# KiCad board qazikat.kicad_pcb
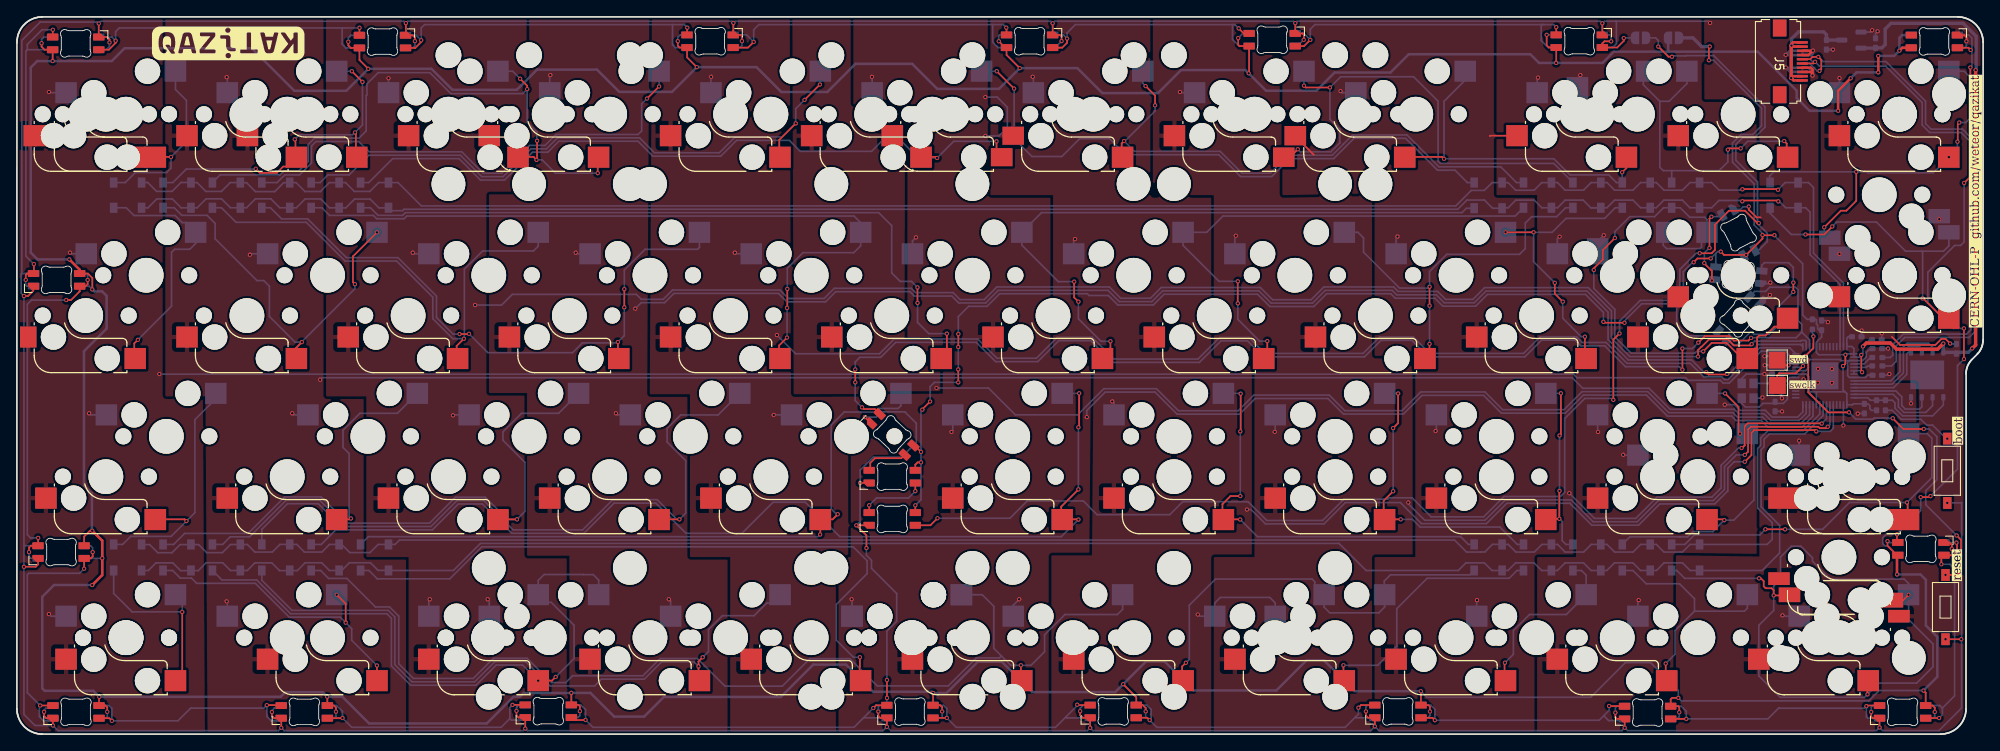
[diagram p0: board, top side]
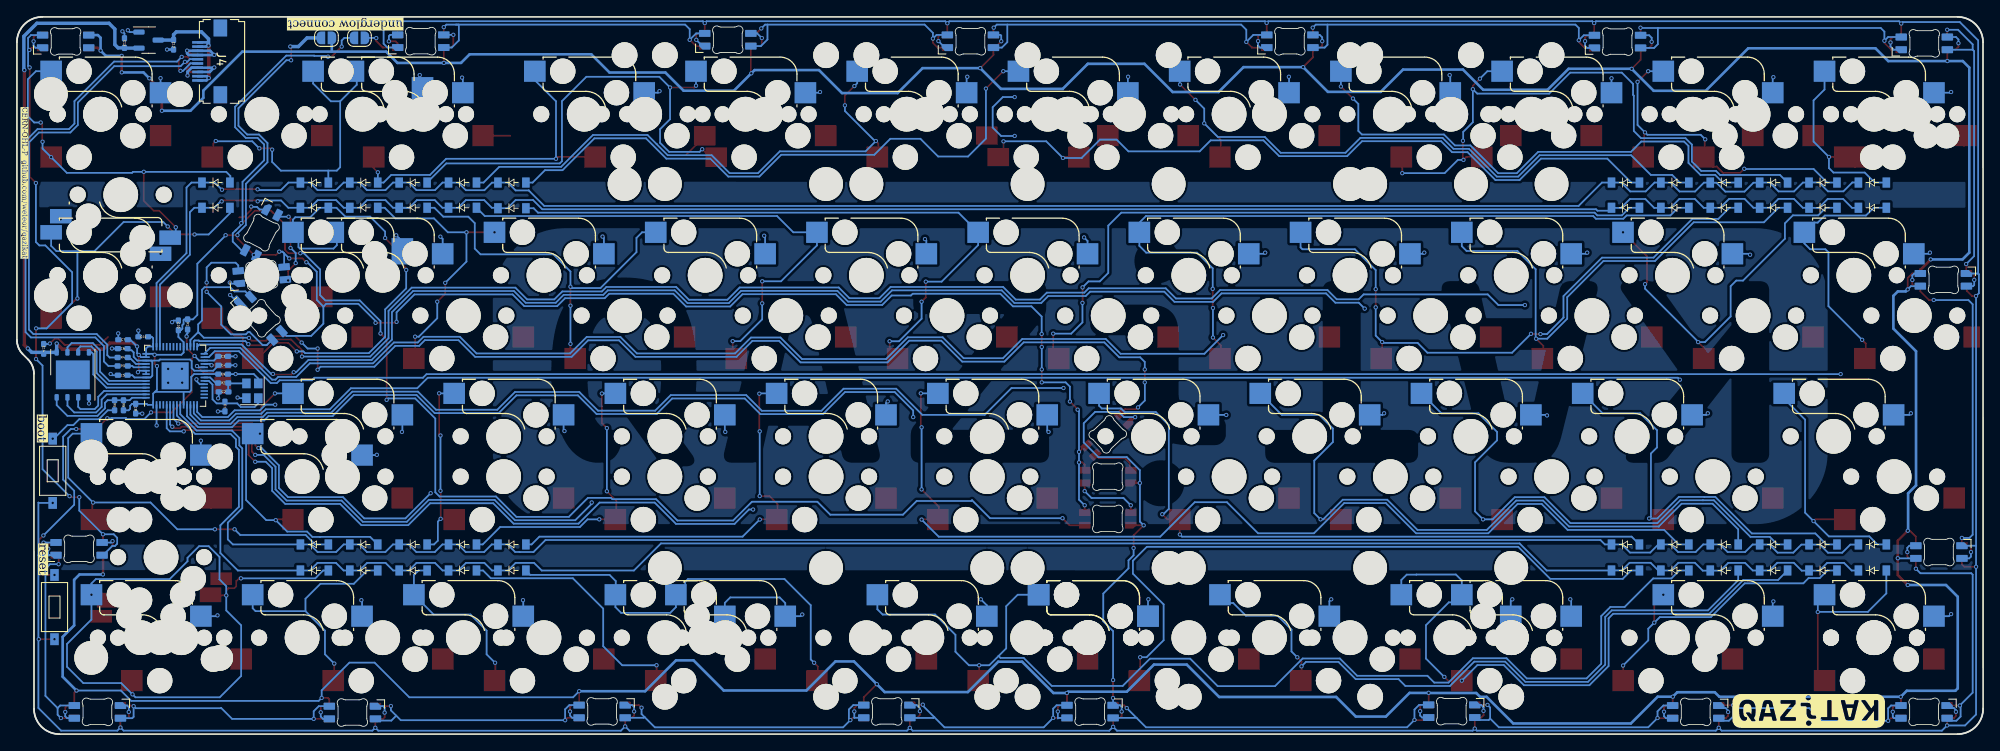
[diagram p1: board, bottom side, seen from below]

Outline 232.33 x 84.82 mm; copper layers: Top, Bottom. Coordinates in mm from the lower left corner of the outline.
Outline path: 0,3 0,2.85 0.01,2.7 0.03,2.56 0.06,2.41 0.09,2.27 0.13,2.13 0.18,1.99 0.23,1.85 0.29,1.72 0.35,1.59 0.43,1.46 0.5,1.34 0.59,1.22 0.68,1.1 0.78,0.99 0.88,0.88 0.99,0.78 1.1,0.68 1.22,0.59 1.34,0.5 1.46,0.43 1.59,0.35 1.72,0.29 1.85,0.23 1.99,0.18 2.13,0.13 2.27,0.09 2.41,0.06 2.56,0.03 2.7,0.01 2.85,0 3,0 227.31,0 227.46,0 227.61,0.01 227.75,0.03 227.9,0.06 228.04,0.09 228.18,0.13 228.32,0.18 228.46,0.23 228.59,0.29 228.72,0.35 228.85,0.43 228.97,0.5 229.09,0.59 229.21,0.68 229.32,0.78 229.43,0.88 229.53,0.99 229.63,1.1 229.72,1.22 229.81,1.34 229.88,1.46 229.96,1.59 230.02,1.72 230.08,1.85 230.13,1.99 230.18,2.13 230.22,2.27 230.25,2.41 230.28,2.56 230.3,2.7 230.31,2.85 230.31,3 230.32,42.61 230.32,42.73 230.33,42.85 230.34,42.97 230.36,43.09 230.39,43.2 230.42,43.32 230.46,43.43 230.5,43.54 230.55,43.65 230.6,43.75 230.66,43.85 230.72,43.95 230.79,44.05 230.86,44.14 230.94,44.23 231.02,44.32 231.62,44.92 231.7,45 231.78,45.09 231.85,45.19 231.92,45.28 231.99,45.38 232.04,45.49 232.1,45.59 232.14,45.7 232.19,45.81 232.22,45.92 232.25,46.04 232.28,46.15 232.3,46.27 232.32,46.39 232.32,46.5 232.33,46.62 232.33,81.82 232.32,81.97 232.31,82.12 232.29,82.26 232.27,82.41 232.24,82.55 232.2,82.69 232.15,82.83 232.1,82.97 232.04,83.1 231.97,83.23 231.9,83.36 231.82,83.48 231.74,83.6 231.65,83.72 231.55,83.83 231.45,83.94 231.34,84.04 231.23,84.14 231.11,84.23 230.99,84.32 230.87,84.39 230.74,84.47 230.61,84.53 230.48,84.59 230.34,84.64 230.2,84.69 230.06,84.73 229.92,84.76 229.77,84.79 229.62,84.81 229.48,84.82 229.33,84.82 3.01,84.82 2.86,84.82 2.71,84.81 2.56,84.79 2.42,84.76 2.28,84.73 2.14,84.69 2,84.64 1.86,84.59 1.73,84.53 1.59,84.47 1.47,84.39 1.34,84.32 1.22,84.23 1.11,84.14 0.99,84.04 0.89,83.94 0.78,83.83 0.69,83.72 0.6,83.6 0.51,83.48 0.43,83.36 0.36,83.23 0.3,83.1 0.24,82.97 0.18,82.83 0.14,82.69 0.1,82.55 0.07,82.41 0.04,82.26 0.02,82.12 0.01,81.97 0.01,81.82 0,3
Stack: Top 0.035mm / dielectric 1.51mm FR4 er 4.5 / Bottom 0.035mm

## Placement (name value [footprint] x y rotation side)
C1  27pF  [C_0402_HandSolder]  207.75 38.74 90 bottom
C2  27pF  [C_0402_HandSolder]  207.91 40.47 180 bottom
C3  100nF  [C_0402_HandSolder]  207.97 44.67 180 bottom
C4  100nF  [C_0402_HandSolder]  207.94 43.62 180 bottom
C5  100nF  [C_0402_HandSolder]  219.83 42.44 0 bottom
C6  1uF  [C_0402_HandSolder]  219.83 45.59 0 bottom
C7  1uF  [C_0402_HandSolder]  219.78 46.64 0 bottom
C8  100nF  [C_0402_HandSolder]  218.3 38.49 270 bottom
C9  100nF  [C_0402_HandSolder]  207.96 42.57 180 bottom
C10  100nF  [C_0402_HandSolder]  213.25 48.34 90 bottom
C11  100nF  [C_0402_HandSolder]  217.4 46.99 0 bottom
C12  1uF  [C_0402_HandSolder]  213.82 81.53 270 bottom
C13  1uF  [C_0402_HandSolder]  219.62 81.73 90 bottom
C14  100nF  [C_0402_HandSolder]  229.17 45.56 90 bottom
D1  D_Small  [D_SOD-123]  13.08 19.35 180 bottom
D2  D_Small  [D_SOD-123]  18.92 19.35 180 bottom
D3  D_Small  [D_SOD-123]  24.75 19.35 180 bottom
D4  D_Small  [D_SOD-123]  30.59 19.35 180 bottom
D5  D_Small  [D_SOD-123]  42.26 19.35 180 bottom
D6  D_Small  [D_SOD-123]  42.26 65.23 180 bottom
D7  D_Small  [D_SOD-123]  36.42 19.35 180 bottom
D8  D_Small  [D_SOD-123]  173.84 19.35 180 bottom
D9  D_Small  [D_SOD-123]  179.67 19.35 180 bottom
D10  D_Small  [D_SOD-123]  185.51 19.35 180 bottom
D11  D_Small  [D_SOD-123]  191.34 19.35 180 bottom
D12  SK6812MINI  [LED_6028R]  4.69 53.72 0 top
D13  SK6812MINI  [LED_6028R]  5.22 21.53 0 top
D14  SK6812MINI  [LED_6028R]  6.98 2.63 0 top
D15  SK6812MINI  [LED_6028R]  33.96 2.63 0 top
D16  SK6812MINI  [LED_6028R]  62.79 2.71 0 top
D17  SK6812MINI  [LED_6028R]  105.52 2.66 0 top
D18  SK6812MINI  [LED_6028R]  129.54 2.68 0 top
D19  SK6812MINI  [LED_6028R]  163.18 2.68 0 top
D20  SK6812MINI  [LED_6028R]  192.69 2.55 0 top
D21  SK6812MINI  [LED_6028R]  222.82 2.63 0 top
D22  SK6812MINI  [LED_6028R]  224.99 21.91 180 top
D24  SK6812MINI  [LED_6028R_no_cut]  5.22 21.53 0 bottom
D25  SK6812MINI  [LED_6028R_no_cut]  222.82 2.63 0 bottom
D26  SK6812MINI  [LED_6028R_no_cut]  6.98 2.63 0 bottom
D27  SK6812MINI  [LED_6028R_no_cut]  224.99 21.91 180 bottom
D28  SK6812MINI  [LED_6028R_no_cut]  33.96 2.63 0 bottom
D30  SK6812MINI  [LED_6028R_no_cut]  62.79 2.71 0 bottom
D31  SK6812MINI  [LED_6028R_no_cut]  226.57 81.92 180 bottom
D32  SK6812MINI  [LED_6028R_no_cut]  105.52 2.66 0 bottom
D33  SK6812MINI  [LED_6028R_no_cut]  129.54 2.68 0 bottom
D34  SK6812MINI  [LED_6028R_no_cut]  163.18 2.68 0 bottom
D35  SK6812MINI  [LED_6028R_no_cut]  192.69 2.55 0 bottom
D36  SK6812MINI  [LED_6028R]  226.57 81.92 180 top
D43  SK6812MINI  [LED_6028R]  203.43 59.31 297.5 bottom
D44  SK6812MINI  [LED_6028R]  203.4 54.27 175 bottom
D45  SK6812MINI  [LED_6028R#2]  203.42 49.18 228 bottom
D47  SK6812MINI  [LED_6028R]  184.61 81.95 180 top
D48  SK6812MINI  [LED_6028R]  148.33 82.12 180 top
D49  SK6812MINI  [LED_6028R]  119.66 81.94 180 top
D50  SK6812MINI  [LED_6028R]  81.91 81.94 180 top
D51  SK6812MINI  [LED_6028R]  43.2 81.9 180 top
D52  SK6812MINI  [LED_6028R]  6.95 81.69 180 top
D97  SK6812MINI  [LED_6028R]  103.43 35.45 317 top
D98  SK6812MINI  [LED_6028R]  103.43 30.45 0 top
D99  SK6812MINI  [LED_6028R]  103.43 25.45 0 top
D101  SK6812MINI  [LED_6028R_no_cut]  184.61 81.95 180 bottom
D102  SK6812MINI  [LED_6028R_no_cut]  148.33 82.12 180 bottom
D103  SK6812MINI  [LED_6028R_no_cut]  119.66 81.94 180 bottom
D104  SK6812MINI  [LED_6028R_no_cut]  81.91 81.94 180 bottom
D105  SK6812MINI  [LED_6028R_no_cut]  43.2 81.9 180 bottom
D106  SK6812MINI  [LED_6028R_no_cut]  6.95 81.69 180 bottom
D107  SK6812MINI  [LED_6028R_no_cut]  4.69 53.73 0 bottom
D108  D_Small  [D_SOD-123]  197.18 19.35 180 bottom
D109  D_Small  [D_SOD-123]  13.08 22.43 180 bottom
D110  D_Small  [D_SOD-123]  18.92 22.43 180 bottom
D111  D_Small  [D_SOD-123]  24.75 22.43 180 bottom
D112  D_Small  [D_SOD-123]  30.59 22.43 180 bottom
D113  D_Small  [D_SOD-123]  42.26 22.43 180 bottom
D115  D_Small  [D_SOD-123]  36.42 22.43 180 bottom
D116  D_Small  [D_SOD-123]  173.84 22.43 180 bottom
D117  D_Small  [D_SOD-123]  179.67 22.43 180 bottom
D118  D_Small  [D_SOD-123]  185.51 22.43 180 bottom
D119  D_Small  [D_SOD-123]  191.34 22.43 180 bottom
D120  D_Small  [D_SOD-123]  197.18 22.43 180 bottom
D121  D_Small  [D_SOD-123]  13.08 62.25 180 bottom
D122  D_Small  [D_SOD-123]  18.92 62.25 180 bottom
D123  D_Small  [D_SOD-123]  24.75 62.25 180 bottom
D124  D_Small  [D_SOD-123]  30.59 62.25 180 bottom
D125  D_Small  [D_SOD-123]  36.42 62.25 180 bottom
D126  D_Small  [D_SOD-123]  42.26 62.25 180 bottom
D127  D_Small  [D_SOD-123]  173.84 62.19 180 bottom
D128  D_Small  [D_SOD-123]  179.67 62.25 180 bottom
D129  D_Small  [D_SOD-123]  185.51 62.25 180 bottom
D130  D_Small  [D_SOD-123]  191.34 62.25 180 bottom
D131  D_Small  [D_SOD-123]  197.18 62.25 180 bottom
D132  D_Small  [D_SOD-123]  208.81 62.25 180 bottom
D133  D_Small  [D_SOD-123]  13.08 65.23 180 bottom
D134  D_Small  [D_SOD-123]  18.92 65.23 180 bottom
D135  D_Small  [D_SOD-123]  24.75 65.23 180 bottom
D136  D_Small  [D_SOD-123]  30.59 65.23 180 bottom
D137  D_Small  [D_SOD-123]  36.42 65.23 180 bottom
D139  D_Small  [D_SOD-123]  173.84 65.23 180 bottom
D140  D_Small  [D_SOD-123]  179.67 65.23 180 bottom
D141  D_Small  [D_SOD-123]  185.51 65.23 180 bottom
D142  D_Small  [D_SOD-123]  191.34 65.23 180 bottom
D143  D_Small  [D_SOD-123]  197.18 65.23 180 bottom
D144  D_Small  [D_SOD-123]  208.81 65.23 180 bottom
J1  Conn_01x01_Pin  [TestPoint_Pad_2.0x2.0mm]  207.99 44.23 0 top
J3  Conn_01x01_Pin  [TestPoint_Pad_2.0x2.0mm]  208.01 41.23 0 top
J4  Conn_01x10  [FCC 1x10 - JUSHUO AFC01-S10FCA-00]  210.97 79.56 90 bottom
J5  Conn_01x10  [FCC 1x10 - JUSHUO AFC01-S10FCA-00]  210.97 79.56 270 top
JP1  SolderJumper_2_Open  [SolderJumper-2_P1.3mm_Open_RoundedPad1.0x1.5mm]  191.85 82.34 0 bottom
JP3  SolderJumper_2_Open  [SolderJumper-2_P1.3mm_Open_RoundedPad1.0x1.5mm]  195.75 82.34 180 bottom
MX1  MX_SW_HS  [CherryMX_Hotswap]  12.89 73.31 0 top
MX2  MX_SW_HS  [CherryMX_Hotswap]  31.94 73.31 0 top
MX3  MX_SW_HS  [CherryMX_Hotswap]  50.99 73.31 0 top
MX4  MX_SW_HS  [CherryMX_Hotswap]  70.04 73.31 0 top
MX5  MX_SW_HS  [CherryMX_Hotswap]  89.09 73.31 0 top
MX6  MX_SW_HS  [CherryMX_Hotswap]  108.14 73.31 0 top
MX7  MX_SW_HS  [CherryMX_Hotswap]  127.19 73.31 0 top
MX8  MX_SW_HS  [CherryMX_Hotswap]  146.24 73.31 0 top
MX9  MX_SW_HS  [CherryMX_Hotswap]  165.29 73.31 0 top
MX10  MX_SW_HS  [CherryMX_Hotswap_1.25u]  186.72 73.31 0 top
MX11  MX_SW_HS  [CherryMX_Hotswap_1.75u]  191.49 73.31 0 top
MX12  MX_SW_HS  [CherryMX_Hotswap]  222.44 73.31 0 top
MX14  MX_SW_HS  [CherryMX_Hotswap#5]  220.06 63.79 180 top
MX15  MX_SW_HS  [CherryMX_Hotswap_1.25u]  15.27 54.27 0 top
MX16  MX_SW_HS  [CherryMX_Hotswap]  36.7 54.27 0 top
MX17  MX_SW_HS  [CherryMX_Hotswap]  55.75 54.27 0 top
MX18  MX_SW_HS  [CherryMX_Hotswap]  74.81 54.27 0 top
MX19  MX_SW_HS  [CherryMX_Hotswap]  93.86 54.27 0 top
MX20  MX_SW_HS  [CherryMX_Hotswap]  112.91 54.27 0 top
MX21  MX_SW_HS  [CherryMX_Hotswap]  131.96 54.27 0 top
MX22  MX_SW_HS  [CherryMX_Hotswap]  151 54.27 0 top
MX23  MX_SW_HS  [CherryMX_Hotswap]  170.06 54.27 0 top
MX24  MX_SW_HS  [CherryMX_Hotswap]  189.1 54.27 0 top
MX25  MX_SW_HS  [CherryMX_Hotswap_1.5u#2]  193.87 54.27 0 top
MX26  MX_SW_HS  [CherryMX_Hotswap#5]  222.44 54.27 0 top
MX27  MX_SW_HS  [CherryMX_Hotswap_1.5u]  17.66 35.22 0 top
MX28  MX_SW_HS  [CherryMX_Hotswap]  41.47 35.22 0 top
MX29  MX_SW_HS  [CherryMX_Hotswap]  60.52 35.22 0 top
MX30  MX_SW_HS  [CherryMX_Hotswap]  79.57 35.22 0 top
MX31  MX_SW_HS  [CherryMX_Hotswap]  98.62 35.22 0 top
MX32  MX_SW_HS  [CherryMX_Hotswap]  117.67 35.22 0 top
MX33  MX_SW_HS  [CherryMX_Hotswap]  136.72 35.22 0 top
MX34  MX_SW_HS  [CherryMX_Hotswap]  155.77 35.22 0 top
MX35  MX_SW_HS  [CherryMX_Hotswap]  174.82 35.22 0 top
MX36  MX_SW_HS  [CherryMX_Hotswap]  193.87 35.22 0 top
MX37  MX_SW_HS  [CherryMX_Hotswap]  198.63 30.45 0 top
MX38  MX_SW_HS  [CherryMX_Hotswap]  217.68 30.45 0 top
MX39  MX_SW_HS  [CherryMX_Hotswap]  12.89 11.4 0 top
MX40  MX_SW_HS  [CherryMX_Hotswap]  31.94 11.4 0 top
MX41  MX_SW_HS  [CherryMX_Hotswap]  55.75 11.4 0 top
MX42  MX_SW_HS  [CherryMX_Hotswap]  84.33 11.4 0 top
MX43  MX_SW_HS  [CherryMX_Hotswap]  124.81 11.4 0 top
MX44  MX_SW_HS  [CherryMX_Hotswap]  155.77 11.4 0 top
MX45  MX_SW_HS  [CherryMX_Hotswap]  179.58 11.4 0 top
MX46  MX_SW_HS  [CherryMX_Hotswap]  198.63 11.4 0 top
MX47  MX_SW_HS  [CherryMX_Hotswap]  217.68 11.4 0 top
MX48  MX_SW_HS  [CherryMX_Hotswap_1.75u#2]  62.9 11.4 0 top
MX49  MX_SW_HS  [CherryMX_Hotswap]  105.76 11.4 0 top
MX50  MX_SW_HS  [CherryMX_Hotswap_1.75u#2]  148.62 11.4 0 top
MX51  MX_SW_HS  [CherryMX_Hotswap]  105.76 11.4 0 top
MX52  MX_SW_HS  [CherryMX_Hotswap_1.5u]  12.89 11.4 0 bottom
MX53  MX_SW_HS  [CherryMX_Hotswap]  36.7 11.4 0 bottom
MX54  MX_SW_HS  [CherryMX_Hotswap]  55.75 11.4 0 bottom
MX55  MX_SW_HS  [CherryMX_Hotswap]  74.8 11.4 0 bottom
MX56  MX_SW_HS  [CherryMX_Hotswap]  93.85 11.4 0 bottom
MX57  MX_SW_HS  [CherryMX_Hotswap]  112.9 11.4 0 bottom
MX58  MX_SW_HS  [CherryMX_Hotswap]  131.95 11.4 0 bottom
MX59  MX_SW_HS  [CherryMX_Hotswap]  151 11.4 0 bottom
MX60  MX_SW_HS  [CherryMX_Hotswap]  170.05 11.4 0 bottom
MX61  MX_SW_HS  [CherryMX_Hotswap]  189.1 11.4 0 bottom
MX62  MX_SW_HS  [CherryMX_Hotswap#4]  215.3 20.92 0 bottom
MX63  MX_SW_HS  [CherryMX_Hotswap_1.5u]  212.92 11.4 0 bottom
MX64  MX_SW_HS  [CherryMX_Hotswap_1.75u#3]  215.3 11.4 180 bottom
MX65  MX_SW_HS  [CherryMX_Hotswap_1.25u]  10.51 30.45 0 bottom
MX66  MX_SW_HS  [CherryMX_Hotswap]  31.94 30.45 0 bottom
MX67  MX_SW_HS  [CherryMX_Hotswap]  50.99 30.45 0 bottom
MX68  MX_SW_HS  [CherryMX_Hotswap]  70.04 30.45 0 bottom
MX69  MX_SW_HS  [CherryMX_Hotswap]  89.09 30.45 0 bottom
MX70  MX_SW_HS  [CherryMX_Hotswap]  117.67 30.45 0 bottom
MX71  MX_SW_HS  [CherryMX_Hotswap]  136.72 30.45 0 bottom
MX72  MX_SW_HS  [CherryMX_Hotswap]  155.77 30.45 0 bottom
MX73  MX_SW_HS  [CherryMX_Hotswap]  174.81 30.45 0 bottom
MX74  MX_SW_HS  [CherryMX_Hotswap]  193.87 30.45 0 bottom
MX75  MX_SW_HS  [CherryMX_Hotswap_1.25u]  215.3 30.45 0 bottom
MX76  MX_SW_HS  [CherryMX_Hotswap_1.5u]  217.68 30.45 0 bottom
MX77  MX_SW_HS  [CherryMX_Hotswap#2]  8.13 49.5 0 bottom
MX78  MX_SW_HS  [CherryMX_Hotswap]  27.18 49.5 0 bottom
MX79  MX_SW_HS  [CherryMX_Hotswap]  46.23 49.5 0 bottom
MX80  MX_SW_HS  [CherryMX_Hotswap]  65.28 49.5 0 bottom
MX81  MX_SW_HS  [CherryMX_Hotswap]  84.33 49.5 0 bottom
MX82  MX_SW_HS  [CherryMX_Hotswap]  103.38 49.5 0 bottom
MX83  MX_SW_HS  [CherryMX_Hotswap]  122.43 49.5 0 bottom
MX84  MX_SW_HS  [CherryMX_Hotswap]  141.48 49.5 0 bottom
MX85  MX_SW_HS  [CherryMX_Hotswap]  160.53 49.5 0 bottom
MX86  MX_SW_HS  [CherryMX_Hotswap]  179.58 49.5 0 bottom
MX87  MX_SW_HS  [CherryMX_Hotswap]  198.63 49.5 0 bottom
MX88  MX_SW_HS  [CherryMX_Hotswap]  203.39 54.26 0 bottom
MX89  MX_SW_HS  [CherryMX_Hotswap]  222.44 54.26 0 bottom
MX90  MX_SW_HS  [CherryMX_Hotswap_1.25u]  10.51 73.31 0 bottom
MX91  MX_SW_HS  [CherryMX_Hotswap_1.25u]  34.32 73.31 0 bottom
MX92  MX_SW_HS  [CherryMX_Hotswap_1.25u]  53.37 73.31 0 bottom
MX93  MX_SW_HS  [CherryMX_Hotswap]  84.33 73.31 0 bottom
MX94  MX_SW_HS  [CherryMX_Hotswap#6]  124.81 73.31 0 bottom
MX95  MX_SW_HS  [CherryMX_Hotswap_1.25u#2]  158.15 73.31 0 bottom
MX96  MX_SW_HS  [CherryMX_Hotswap]  184.34 73.31 0 bottom
MX97  MX_SW_HS  [CherryMX_Hotswap]  203.39 73.31 0 bottom
MX98  MX_SW_HS  [CherryMX_Hotswap]  222.44 73.31 0 bottom
MX99  MX_SW_HS  [CherryMX_Hotswap#3]  8.13 73.31 0 bottom
MX100  MX_SW_HS  [CherryMX_Hotswap]  27.18 73.31 0 bottom
MX101  MX_SW_HS  [CherryMX_Hotswap]  62.9 73.31 0 bottom
MX102  MX_SW_HS  [CherryMX_Hotswap_1.75u#2]  101 73.31 0 bottom
MX103  MX_SW_HS  [CherryMX_Hotswap#7]  143.86 73.31 0 bottom
MX104  MX_SW_HS  [CherryMX_Hotswap#8]  110.52 73.31 0 bottom
R1  1k  [R_0402_HandSolder]  212.16 48.45 270 bottom
R2  1k  [R_0402_HandSolder]  207.96 41.52 0 bottom
R3  27R  [R_0402_HandSolder]  219.83 43.54 0 bottom
R4  27R  [R_0402_HandSolder]  219.83 44.54 0 bottom
R5  1k  [R_0402_HandSolder]  220.79 38.89 270 bottom
R8  10k  [R_0402_HandSolder]  219.74 38.89 270 bottom
S1  MX_stab  [STAB_MX_ISO]  220.06 63.79 0 top
S2  MX_stab  [STAB_MX_2u]  84.33 11.4 180 top
S3  MX_stab  [STAB_MX_2.25u]  124.81 11.4 180 top
S4  MX_stab  [STAB_MX_2.75u]  105.76 11.4 180 top
S5  MX_stab  [STAB_MX_6.25u]  105.76 11.4 180 top
S6  MX_stab  [STAB_MX_ISO]  215.3 20.92 0 bottom
S7  MX_stab  [STAB_MX_2u]  84.33 73.31 180 bottom
S8  MX_stab  [STAB_MX_2.75u]  124.81 73.31 180 bottom
S9  MX_stab  [STAB_MX_2.25u]  62.9 73.31 180 bottom
S10  MX_stab  [STAB_MX_2.75u]  143.86 73.31 180 bottom
S11  MX_stab  [STAB_MX_6.25u]  110.52 73.31 180 bottom
SW1  SW_Push  [Micro_Push_Button_3x6x2.5mm]  227.89 15.02 90 bottom
SW2  SW_Push  [Micro_Push_Button_3x6x2.5mm]  228.1 31.14 90 bottom
SW3  SW_Push  [Micro_Push_Button_3x6x2.5mm]  227.89 15.02 90 top
SW4  SW_Push  [Micro_Push_Button_3x6x2.5mm]  228.1 31.14 90 top
U1  W25Q128JVS  [WSON-8-1EP_6x5mm_P1.27mm_EP3.4x4mm]  225.72 42.49 90 bottom
U2  XC6206PxxxMR  [SOT-23-3]  216.77 82.08 180 bottom
U5  RP2040  [QFN-56-1EP_7x7mm_P0.4mm_EP3.2x3.2mm]  213.63 42.38 90 bottom
Y1  Crystal_GND24_Small  [Crystal_SMD_2520-4Pin_2.5x2.0mm]  204.51 40.6 90 bottom

## Library data of the parts
C1-C14 = -: Description: Unpolarized capacitor, small symbol
D1-D11 D108-D113 D115-D137 D139-D144 = -: Description: Diode, small symbol; Sim.Device: D; Sim.Pins: 1=K 2=A
D12-D22 D24-D28 D30-D36 D43-D45 D47-D52 D97-D99 D101-D107 = -: Description: Reverse mount adressable LED (WS2812 protocol)
J1 J3 = -: Description: Generic connector, single row, 01x01, script generated
J4 J5 = -: Description: Generic connector, single row, 01x10, script generated (kicad-library-utils/schlib/autogen/connector/)
JP1 JP3 = -: Description: Solder Jumper, 2-pole, open
MX1-MX12 MX14-MX104 = -: Description: Push button switch, normally open, two pins, 45° tilted
R1-R5 R8 = -: Description: Resistor, small symbol
S1-S11 = -: Description: Cherry MX-style stabilizer
SW1-SW4 = -: Description: Push button switch, generic, two pins
U1 = -: Description: 128Mb Serial Flash Memory, Standard/Dual/Quad SPI, SOIC-8
U2 = -: Description: Positive 60-250mA Low Dropout Regulator, Fixed Output, SOT-23
U5 = -: Description: A microcontroller by Raspberry Pi
Y1 = -: Description: Four pin crystal, GND on pins 2 and 4, small symbol

## Footprints (pads in the part's own frame, mm; a bottom-side part is the same pattern mirrored in y, then rotated)
C_0402_HandSolder
  rrect 0.735x0.62 smd: 1(-0.568,0) 2(0.568,0)
CherryMX_Hotswap
  round 1.9 hole 1.9 unplated: (-5.08,0) (5.08,0)
  round 3 hole 3 unplated: (-3.81,2.54) (2.54,5.08)
  round 4.1 hole 4.1 unplated: (0,0)
  rect 2.55x2.5 smd far side: 1(-7.085,2.54) 2(5.842,5.08)
CherryMX_Hotswap#5
  round 1.9 hole 1.9 unplated: (-5.08,0) (5.08,0)
  round 3 hole 3 unplated: (-3.81,2.54) (2.54,5.08)
  round 4.1 hole 4.1 unplated: (0,0)
  rect 2.55x1.7 smd far side: 1(-7.085,2.54) 2(5.842,5.08)
CherryMX_Hotswap#6
  round 1.9 hole 1.9 unplated: (-5.08,0) (5.08,0)
  round 3 hole 3 unplated: (-3.81,2.54) (2.54,5.08)
  round 4.1 hole 4.1 unplated: (0,0)
  rect 2.55x2.15 smd far side: 1(-7.085,2.54)
  rect 2.55x2.5 smd far side: 2(5.842,5.08)
CherryMX_Hotswap#7
  round 1.9 hole 1.9 unplated: (-5.08,0) (5.08,0)
  round 3 hole 3 unplated: (-3.81,2.54) (2.54,5.08)
  round 4.1 hole 4.1 unplated: (0,0)
  rect 2.55x2.5 smd far side: 1(-7.085,2.54)
  rect 2.55x2.3 smd far side: 2(5.842,5.08)
CherryMX_Hotswap#8
  round 1.9 hole 1.9 unplated: (-5.08,0) (5.08,0)
  round 3 hole 3 unplated: (-3.81,2.54) (2.54,5.08)
  round 4.1 hole 4.1 unplated: (0,0)
  rect 2.55x2.5 smd far side: 1(-7.085,2.54)
  rect 2.55x2.15 smd far side: 2(5.842,5.08)
CherryMX_Hotswap#2
  round 1.9 hole 1.9 unplated: (-5.08,0) (5.08,0)
  round 3 hole 3 unplated: (-3.81,2.54) (2.54,5.08)
  round 4.1 hole 4.1 unplated: (0,0)
  rect 1.95x2.5 smd far side: 1(-6.785,2.54)
  rect 2.55x2.5 smd far side: 2(5.842,5.08)
CherryMX_Hotswap#3
  round 1.9 hole 1.9 unplated: (-5.08,0) (5.08,0)
  round 3 hole 3 unplated: (-3.81,2.54) (2.54,5.08)
  round 4.1 hole 4.1 unplated: (0,0)
  rect 1.55x2.5 smd far side: 1(-6.585,2.54)
  rect 2.55x2.5 smd far side: 2(5.842,5.08)
CherryMX_Hotswap#4
  round 1.9 hole 1.9 unplated: (-5.08,0) (5.08,0)
  round 3 hole 3 unplated: (-3.81,2.54) (2.54,5.08)
  round 4.1 hole 4.1 unplated: (0,0)
  rect 2.55x1.5 smd far side: 1(-7.085,2.54)
  rect 3x1.75 smd far side: 2(6.092,5.08)
CherryMX_Hotswap_1.5u
  round 1.9 hole 1.9 unplated: (-5.08,0) (5.08,0)
  round 3 hole 3 unplated: (-3.81,2.54) (2.54,5.08)
  round 4.1 hole 4.1 unplated: (0,0)
  rect 2.55x2.5 smd far side: 1(-7.085,2.54) 2(5.842,5.08)
CherryMX_Hotswap_1.5u#2
  round 1.9 hole 1.9 unplated: (-5.08,0) (5.08,0)
  round 3 hole 3 unplated: (-3.81,2.54) (2.54,5.08)
  round 4.1 hole 4.1 unplated: (0,0)
  rect 2.55x3.1 smd far side: 1(-7.085,2.84)
  rect 2.55x2.5 smd far side: 2(5.842,5.08)
CherryMX_Hotswap_1.25u
  round 1.9 hole 1.9 unplated: (-5.08,0) (5.08,0)
  round 3 hole 3 unplated: (-3.81,2.54) (2.54,5.08)
  round 4.1 hole 4.1 unplated: (0,0)
  rect 2.55x2.5 smd far side: 1(-7.085,2.54) 2(5.842,5.08)
CherryMX_Hotswap_1.25u#2
  round 1.9 hole 1.9 unplated: (-5.08,0) (5.08,0)
  round 3 hole 3 unplated: (-3.81,2.54) (2.54,5.08)
  round 4.1 hole 4.1 unplated: (0,0)
  rect 2.55x2.3 smd far side: 1(-7.085,2.54)
  rect 2.55x2.5 smd far side: 2(5.842,5.08)
CherryMX_Hotswap_1.75u
  round 1.9 hole 1.9 unplated: (-5.08,0) (5.08,0)
  round 3 hole 3 unplated: (-3.81,2.54) (2.54,5.08)
  round 4.1 hole 4.1 unplated: (0,0)
  rect 2.55x3.1 smd far side: 1(-7.085,2.84)
  rect 2.55x2.5 smd far side: 2(5.842,5.08)
CherryMX_Hotswap_1.75u#2
  round 1.9 hole 1.9 unplated: (-5.08,0) (5.08,0)
  round 3 hole 3 unplated: (-3.81,2.54) (2.54,5.08)
  round 4.1 hole 4.1 unplated: (0,0)
  rect 2.55x2.5 smd far side: 1(-7.085,2.54) 2(5.842,5.08)
CherryMX_Hotswap_1.75u#3
  round 1.9 hole 1.9 unplated: (-5.08,0) (5.08,0)
  round 3 hole 3 unplated: (-3.81,2.54) (2.54,5.08)
  round 4.1 hole 4.1 unplated: (0,0)
  rect 2.55x1.5 smd far side: 1(-7.085,2.54)
  rect 2.55x1.75 smd far side: 2(5.842,5.08)
Crystal_SMD_2520-4Pin_2.5x2.0mm
  rect 1.15x1 smd: 1(-0.875,-0.7) 2(0.875,-0.7) 3(0.875,0.7) 4(-0.875,0.7)
D_SOD-123
  rect 0.9x1.2 smd: 1(-1.65,0) 2(1.65,0)
FCC 1x10 - JUSHUO AFC01-S10FCA-00
  rect 0.3x1.3 smd: 1(-2.25,0) 2(-1.75,0) 3(-1.25,0) 4(-0.75,0.016) 5(-0.25,0) 6(0.25,0) 7(0.75,0) 8(1.25,0) 9(1.75,0) 10(2.25,0)
  rect 2x1.6 smd: MP(-3.95,-2.68) MP(3.95,-2.68)
LED_6028R
  rrect 1.35x0.82 smd: 1(2.725,0.75) 2(2.725,-0.75) 3(-2.725,0.75) 4(-2.725,-0.75)
LED_6028R#2
  rrect 1.35x0.82 smd: 1(2.725,0.75) 2(2.725,-0.75) 3(-2.725,0.75)
  rrect 1.95x0.82 smd: 4(-3.025,-0.75)
LED_6028R_no_cut
  rrect 1.35x0.82 smd: 1(2.725,0.75) 2(2.725,-0.75) 3(-2.725,0.75) 4(-2.725,-0.75)
Micro_Push_Button_3x6x2.5mm
  rect 1.4x1 smd: 1(-3.8,0) 2(3.8,0)
QFN-56-1EP_7x7mm_P0.4mm_EP3.2x3.2mm
  rrect 1.29x1.29 smd: (-0.8,-0.8) (-0.8,0.8) (0.8,-0.8) (0.8,0.8)
  rrect 0.875x0.2 smd: 1(-3.438,2.6) 2(-3.438,2.2) 3(-3.438,1.8) 4(-3.438,1.4) 5(-3.438,1) 6(-3.438,0.6) 7(-3.438,0.2) 8(-3.438,-0.2) 9(-3.438,-0.6) 10(-3.438,-1) 11(-3.438,-1.4) 12(-3.438,-1.8) 13(-3.438,-2.2) 14(-3.438,-2.6) 29(3.438,-2.6) 30(3.438,-2.2) 31(3.438,-1.8) 32(3.438,-1.4) 33(3.438,-1) 34(3.438,-0.6) 35(3.438,-0.2) 36(3.438,0.2) 37(3.438,0.6) 38(3.438,1) 39(3.438,1.4) 40(3.438,1.8) 41(3.438,2.2) 42(3.438,2.6)
  rrect 0.2x0.875 smd: 15(-2.6,-3.438) 16(-2.2,-3.438) 17(-1.8,-3.438) 18(-1.4,-3.438) 19(-1,-3.438) 20(-0.6,-3.438) 21(-0.2,-3.438) 22(0.2,-3.438) 23(0.6,-3.438) 24(1,-3.438) 25(1.4,-3.438) 26(1.8,-3.438) 27(2.2,-3.438) 28(2.6,-3.438) 43(2.6,3.438) 44(2.2,3.438) 45(1.8,3.438) 46(1.4,3.438) 47(1,3.438) 48(0.6,3.438) 49(0.2,3.438) 50(-0.2,3.438) 51(-0.6,3.438) 52(-1,3.438) 53(-1.4,3.438) 54(-1.8,3.438) 55(-2.2,3.438) 56(-2.6,3.438)
  rect 3.2x3.2 smd: 57(0,0)
R_0402_HandSolder
  rrect 0.715x0.64 smd: 1(-0.598,0) 2(0.598,0)
SolderJumper-2_P1.3mm_Open_RoundedPad1.0x1.5mm
  custom 1x1.5 smd: 1(-0.65,0) 2(0.65,0)
SOT-23-3
  rrect 1.325x0.6 smd: 1(-1.137,0.95) 2(-1.137,-0.95) 3(1.137,0)
STAB_MX_2.25u
  round 3.048 hole 3.048 unplated: (-11.906,6.985) (11.906,6.985)
  round 3.988 hole 3.988 unplated: (-11.906,-8.255) (11.906,-8.255)
STAB_MX_2.75u
  round 3.048 hole 3.048 unplated: (-11.906,6.985) (11.906,6.985)
  round 3.988 hole 3.988 unplated: (-11.906,-8.255) (11.906,-8.255)
STAB_MX_2u
  round 3.048 hole 3.048 unplated: (-11.906,6.985) (11.906,6.985)
  round 3.988 hole 3.988 unplated: (-11.906,-8.255) (11.906,-8.255)
STAB_MX_6.25u
  round 3.048 hole 3.048 unplated: (-50.006,6.985) (50.006,6.985)
  round 3.988 hole 3.988 unplated: (-50.006,-8.255) (50.006,-8.255)
STAB_MX_ISO
  round 3.048 hole 3.048 unplated: (-6.985,11.906) (-6.985,-11.906)
  round 3.988 hole 3.988 unplated: (8.255,11.906) (8.255,-11.906)
TestPoint_Pad_2.0x2.0mm
  rect 2x2 smd: 1(0,0)
WSON-8-1EP_6x5mm_P1.27mm_EP3.4x4mm
  rrect 1.37x1.61 smd: (-0.85,-1) (-0.85,1) (0.85,-1) (0.85,1)
  rrect 0.775x0.5 smd: 1(-2.663,1.905) 2(-2.663,0.635) 3(-2.663,-0.635) 4(-2.663,-1.905) 5(2.663,-1.905) 6(2.663,-0.635) 7(2.663,0.635) 8(2.663,1.905)
  rect 3.4x4 smd: 9(0,0)
